# Allegro board RK3588S_Template_LP5D315P232SD10H2_42x42_2750MHz_1R2_V10_20220413YWQ.brd (continued)
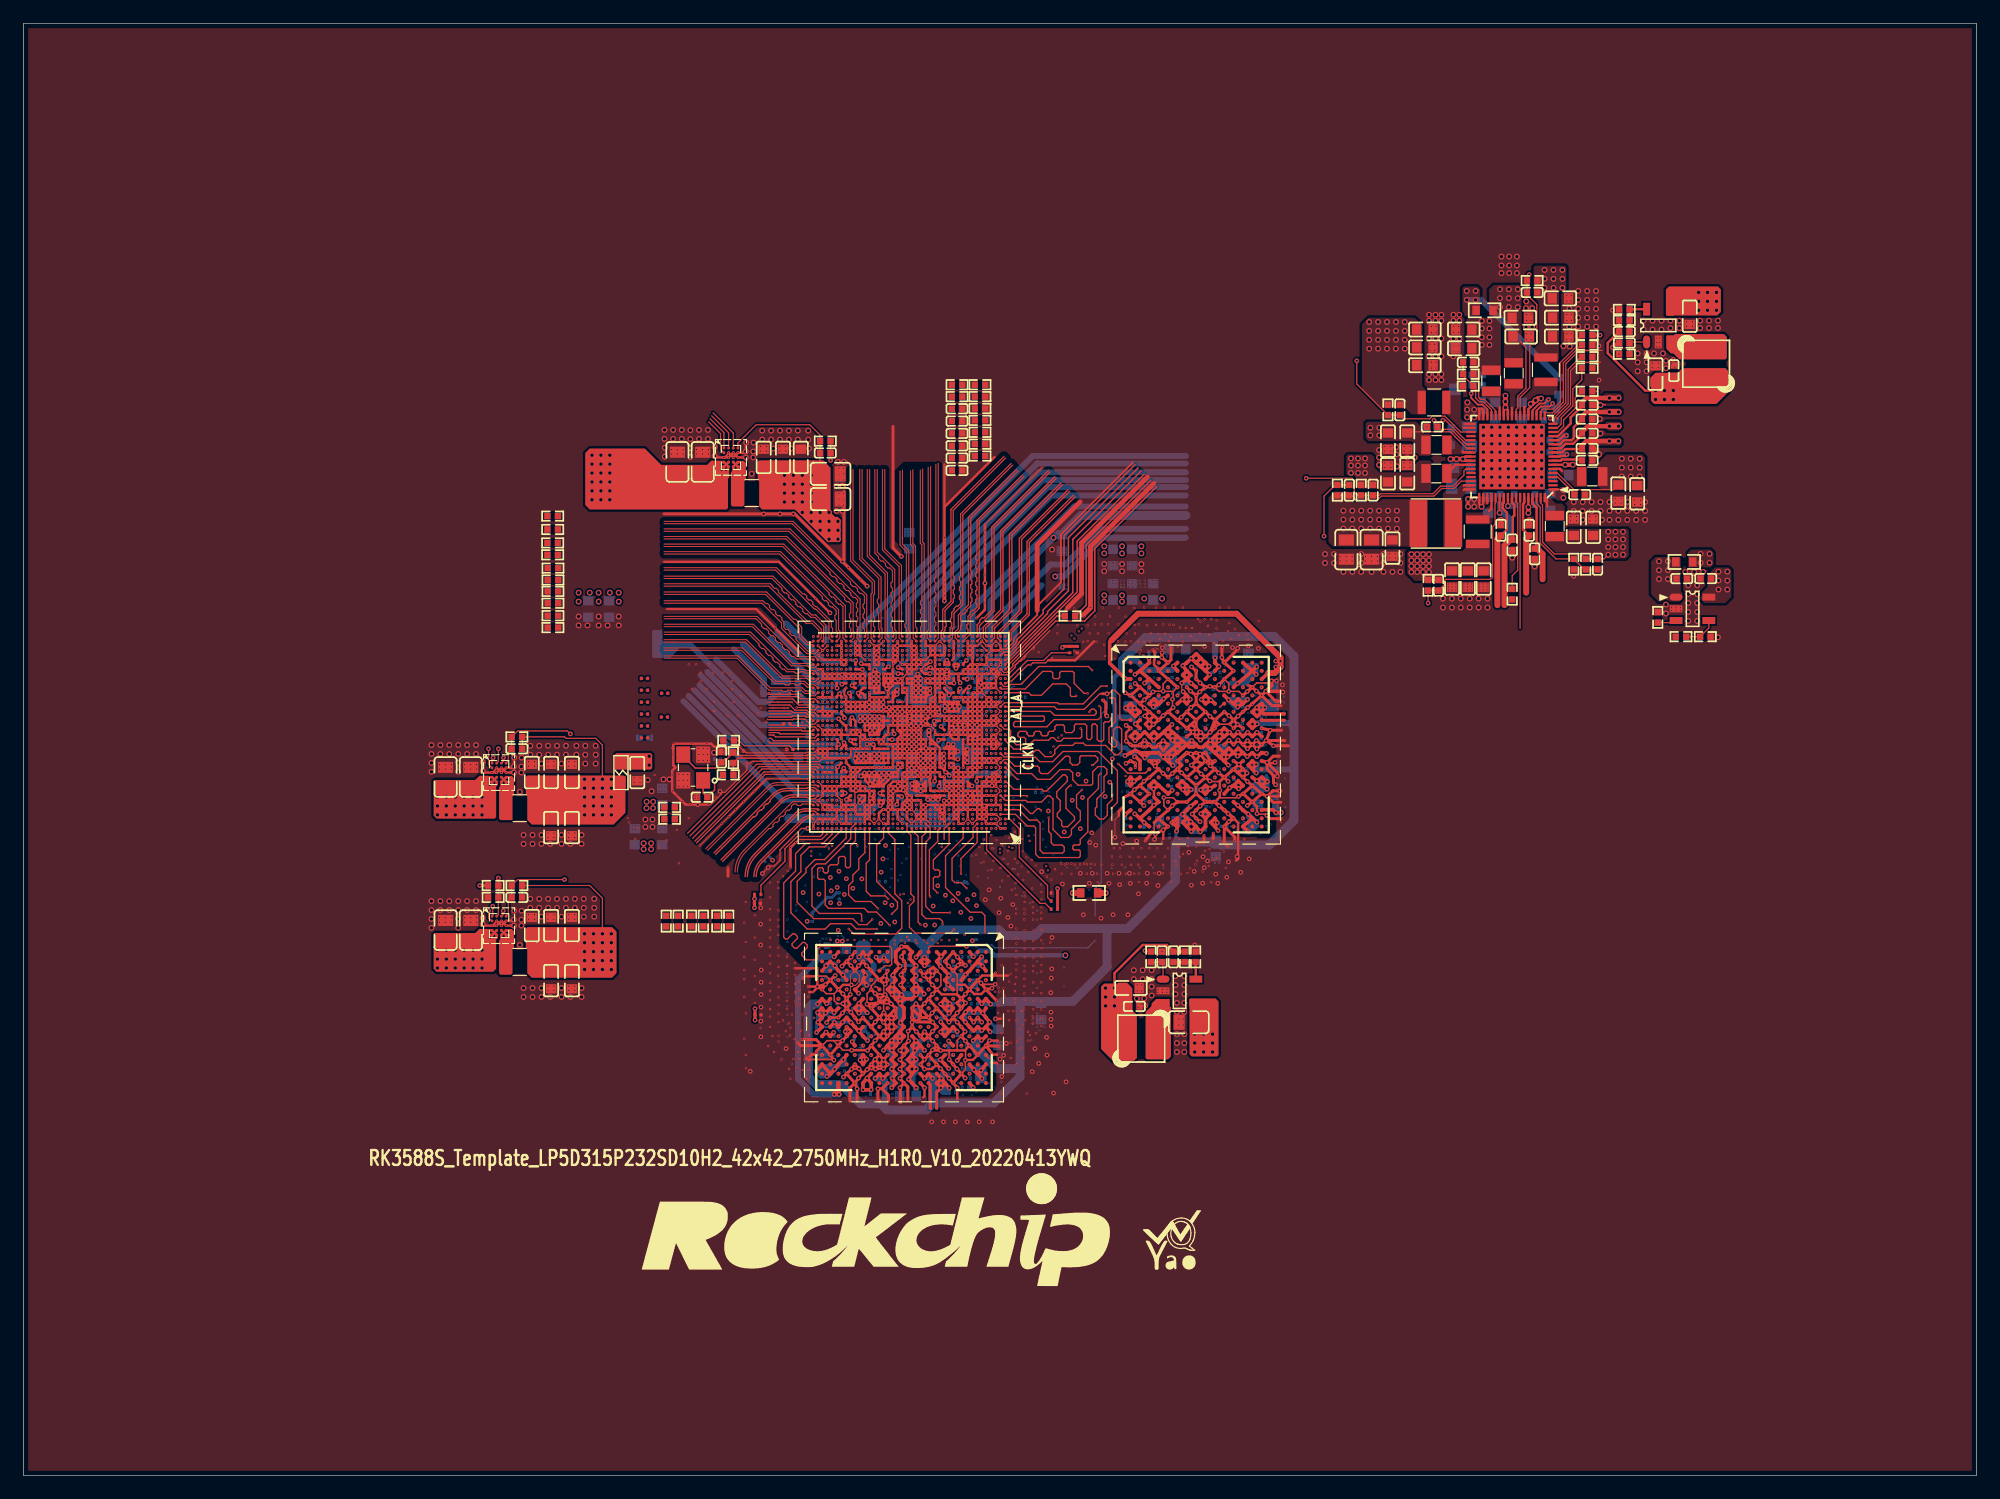
[diagram p0: board, top side]
## Routing (per net, layer and track width the routed paths; a pad name or vN(x,y) marks a point on that pad's centre or on a via; arc(x,y) is an arc through that point) (continued)
DDR_CH0_DQ11_A: length 31.5
  L3-S1 w0.076: v4(88.92,68.48) 88.49,68.05 87.46,68.05 86.96,67.55 86.96,66.83 85.99,65.85 83.84,65.85 83.79,65.9 83.44,65.9 83.44,65.91 83.3,65.91 83.22,65.99 82.4,65.99 v3(81.89,66.5) ; v4(103.9,67.13) 103.91,67.12 104.16,67.37 v3(104.2,67.37)
  L8-S3 w0.076: v4(103.9,67.13) 104.45,67.68 104.45,68.71 104.38,68.79 103.02,68.79 102.9,68.67 102.9,68.1 102.76,67.96 101.06,67.96 100.34,68.67 100.21,68.67 100.13,68.6 100.13,68.24 100.05,68.16 99.82,68.16 99.75,68.24 99.75,68.6 99.67,68.67 99.44,68.67 99.37,68.6 99.37,68.24 99.29,68.16 99.06,68.16 98.99,68.24 98.99,68.6 98.75,68.83 97.92,68.83 97.75,69.01 96.36,69.01 95.71,69.65 95.71,70.19 94.94,70.96 92.35,70.96 91.83,70.44 90.88,70.44 v4(88.92,68.48)
DDR_CH0_DQ11_B: length 25.4
  L3-S1 w0.076: v4(90.96,55.3) 90.88,55.3 90.57,55.61 89.23,55.61 89.09,55.75 87.69,55.75 85.39,58.05 84.04,58.05 83.98,58.11 83.91,58.11 83.9,58.11 83.34,58.11 83.09,58.11 82.69,58.5 v3(82.69,58.51) ; v3(96.17,57.57) 96.07,57.57 95.97,57.66 95.37,57.66 94.52,56.82 94.52,55.26 v4(94.44,55.18)
  L6-S2 w0.107: v4(90.96,55.3) 90.56,54.91 89.43,54.91 89.26,54.74 89.26,53.87 90.61,52.52 94.39,52.52 94.89,53.02 94.89,53.97 94.6,54.26 94.24,54.26 94.05,54.45 94.05,54.8 94.17,54.91 94.17,54.91 v4(94.44,55.18)
DDR_CH0_DQ12_A: length 30
  L3-S1 w0.076: v4(101.42,70.62) 101.42,70.38 101.34,70.3 100.84,70.3 100.75,70.22 100.75,69.74 100.87,69.62 101.45,69.62 101.76,69.31 101.76,68.98 101.99,68.75 102.48,68.75 v3(102.5,68.77) ; v3(83.09,66.49) 83.11,66.49 83.52,66.08 85.15,66.08 85.99,66.92 v4(86.34,66.92)
  L8-S3 w0.076: v4(86.34,66.92) 85.93,67.33 85.93,70.46 87.53,72.05 98.86,72.05 98.94,71.98 98.94,71.84 99.02,71.77 99.24,71.77 99.32,71.84 99.32,71.98 99.4,72.05 99.62,72.05 99.7,71.98 99.7,71.84 99.78,71.77 100.01,71.77 100.08,71.84 100.08,71.98 100.16,72.05 100.39,72.05 100.46,71.98 100.46,71.84 100.54,71.77 100.77,71.77 100.84,71.84 100.84,71.98 100.92,72.05 101.34,72.05 101.42,71.98 v4(101.42,70.62)
DDR_CH0_DQ12_B: length 24.4
  L3-S1 w0.076: v3(82.29,60.1) 82.29,59.96 82.61,59.64 84.35,59.64 84.55,59.44 87.74,59.44 89.17,58.02 v4(89.23,58.02) ; v4(97.94,54.99) 97.93,55.01 97.93,55.27 97.76,55.43 97.76,56.09 v3(97.77,56.1)
  L8-S3 w0.076: v4(89.23,58.02) 89.3,57.95 89.3,57.85 88.93,57.48 88.93,55.72 89.26,55.39 89.26,53.68 89.74,53.2 97.65,53.2 98.22,53.77 98.22,54.55 97.96,54.81 97.96,54.97 v4(97.94,54.99)
DDR_CH0_DQ13_A: length 29.1
  L3-S1 w0.076: v3(101.76,68.07) 101.63,67.94 101.22,67.94 101.02,68.14 100.79,68.14 100.71,68.22 100.71,68.5 100.64,68.58 100.48,68.58 100.41,68.5 100.41,68.22 100.33,68.14 99.95,68.14 99.79,68.31 99.79,68.54 100.32,69.07 v4(100.54,69.07) ; v3(83.09,66.88) 83.09,66.88 83.1,66.88 83.15,66.83 84.83,66.83 86.9,68.9 88.02,68.9 88.75,69.64 89.34,69.64 89.41,69.72 v4(89.41,70.27)
  L6-S2 w0.107: v4(89.41,70.27) 89.58,70.1 93.13,70.1 93.21,70.18 93.21,70.47 93.13,70.54 91.76,70.54 91.68,70.62 91.68,70.9 91.85,71.07 100.16,71.07 100.69,70.54 100.69,69.23 v4(100.54,69.07)
DDR_CH0_DQ13_B: length 23.7
  L3-S1 w0.076: v4(90.25,57.43) 90.15,57.53 90.15,57.82 89.51,58.46 89.08,58.46 88.99,58.55 88.99,58.86 88.89,58.96 88.56,58.96 87.86,59.65 84.76,59.65 84.55,59.86 83.73,59.86 v3(83.49,60.1) ; v4(98.92,57.13) 98.83,57.13 v3(98.57,56.87)
  L8-S3 w0.076: v4(98.92,57.13) 98.84,57.13 98.49,56.78 98.49,55.72 98.37,55.6 98.18,55.6 98.1,55.68 98.1,56.71 98.03,56.79 97.8,56.79 97.72,56.71 97.72,55.68 97.65,55.6 97.44,55.6 97.37,55.68 97.37,55.84 97.29,55.92 97.14,55.92 97.06,55.84 97.06,55.68 96.98,55.6 96.59,55.6 96.03,56.17 95.46,56.17 95.21,55.91 95.21,55.56 95.13,55.49 94.68,55.49 94.43,55.74 92.75,55.74 92.46,56.02 90.64,56.02 89.85,56.82 89.85,57.03 v4(90.25,57.43)
DDR_CH0_DQ14_A: length 31.3
  L3-S1 w0.076: v3(82.69,65.3) 82.81,65.42 82.82,65.42 82.92,65.53 83.42,65.53 83.55,65.4 86.33,65.4 87.47,66.53 87.47,67.18 87.82,67.53 89.68,67.53 89.87,67.72 89.87,68.29 90.14,68.55 v4(90.26,68.55) ; v4(102,66.91) 101.74,66.66 v3(101.74,66.63)
  L8-S3 w0.076: v4(102,66.91) 102.5,66.91 102.57,66.99 102.57,67.3 102.69,67.42 103.24,67.42 103.35,67.31 103.35,66.06 103.24,65.95 102.4,65.95 102.23,65.79 102.1,65.79 101.95,65.94 101.8,65.94 101.65,65.79 101.65,65.58 101.52,65.45 101.21,65.45 101.11,65.55 101.11,65.83 101,65.94 100.34,65.94 100.17,66.11 100.17,66.48 100.01,66.65 98.32,66.65 98.27,66.7 97.21,66.7 96.96,66.95 96.96,67.14 97.09,67.27 97.09,67.76 96.93,67.92 96.39,67.92 96.22,67.75 96.22,67.35 95.79,66.92 95.55,66.92 95.35,66.72 95.35,66.1 95.28,66.02 94.44,66.02 92.97,67.48 91.76,67.48 91.16,68.08 90.86,68.08 90.39,68.55 v4(90.26,68.55)
DDR_CH0_DQ14_B: length 24.7
  L3-S1 w0.076: v3(98.55,58.22) 98.55,58.21 98.36,58.02 98.13,58.02 97.09,59.06 96.4,59.06 96.16,58.83 96.16,58.33 95.76,57.94 94.2,57.94 93.96,57.69 93.05,57.69 92.7,57.35 92.7,56.52 93.11,56.1 93.11,55.47 v4(93.22,55.36) ; v3(82.29,58.5) 82.94,57.85 83.33,57.85 83.41,57.93 83.83,57.93 83.95,57.81 85.29,57.81 87.68,55.43 89.01,55.43 89.41,55.02 89.61,55.02 89.69,55.1 89.69,55.21 v4(89.63,55.26)
  L8-S3 w0.076: v4(93.22,55.36) 92.94,55.07 92.59,55.07 91.96,55.7 90.41,55.7 89.68,56.42 89.34,56.42 89.2,56.28 89.2,56.02 89.69,55.53 89.69,55.32 v4(89.63,55.26)
DDR_CH0_DQ15_A: length 32
  TOP w0.119: v3(102.25,65.68) 102.53,65.96 U3900.F11
  L3-S1 w0.076: v3(102.25,65.68) 102.04,65.9 101.54,65.9 101.49,65.85 101.49,65.66 101.38,65.55 101.11,65.55 101.04,65.63 101.04,65.82 100.96,65.9 100.53,65.9 100.47,65.96 99.41,65.96 99.33,65.89 99.33,65.38 99.93,64.78 99.93,64.14 99.34,63.55 98.64,63.55 98.47,63.72 98.01,63.72 97.84,63.55 96.52,63.55 96.18,63.89 95.78,63.89 95.39,63.5 94.63,63.5 94.44,63.69 94.12,63.69 93.91,63.49 93.61,63.49 92.92,64.18 91.43,64.18 91.35,64.25 91.35,64.36 91.58,64.59 91.58,64.77 91.32,65.03 91.32,65.44 91.58,65.7 91.58,65.81 91.86,66.08 91.86,67.11 90.68,68.28 90.68,68.75 90.53,68.91 90.07,68.91 89.64,68.47 89.64,67.92 89.49,67.78 87.64,67.78 87.21,67.34 87.21,66.65 86.18,65.63 83.7,65.63 83.62,65.7 83.24,65.7 83.17,65.78 82.77,65.78 82.29,65.3 v3(82.29,65.3)
DDR_CH0_DQ15_B: length 25.3
  L3-S1 w0.076: v4(91.89,57.99) 91.65,57.75 91.65,57.15 91.58,57.07 89.76,57.07 89.52,57.31 89.37,57.31 87.46,59.22 84.35,59.22 84.16,59.41 82.52,59.41 82.39,59.54 82.39,59.54 82.35,59.58 82.35,59.58 82.11,59.81 82.11,59.82 81.89,60.04 v3(81.89,60.1) ; v4(93.5,59.4) 93.5,59.45 93.52,59.46 93.52,60.37 93.59,60.44 93.8,60.44 93.91,60.34 93.91,59.21 94.17,58.96 95.33,58.96 95.43,58.85 95.43,58.66 95.51,58.58 95.78,58.58 95.86,58.65 95.86,58.89 96.3,59.34 97.23,59.34 97.43,59.54 97.54,59.54 97.62,59.46 97.62,59.06 97.74,58.94 v3(97.74,58.91)
  L8-S3 w0.076: v4(91.89,57.99) 91.92,57.99 92.06,58.13 92.06,58.97 92.14,59.05 92.42,59.05 92.61,58.87 92.61,58.87 92.92,58.57 94.07,58.57 94.33,58.31 94.44,58.31 94.51,58.38 94.51,58.6 93.71,59.4 v4(93.5,59.4)
DDR_CH0_DQS0N_A: length 25.7
  L3-S1 w0.066: v3(96.91,68.1) 96.84,68.17 96.84,68.51 96.65,68.71 96.65,68.94 96.37,69.22 95.73,69.22 95.45,69.49 95.45,69.76 94.99,70.23 92.91,70.23 92.7,70.44 92.7,70.71 92.77,70.78 92.8,70.81 92.81,70.81 96.62,70.81 96.87,71.06 96.87,71.5 96.64,71.72 89.95,71.72 89.89,71.78 v3(89.53,71.78) 89.47,71.72 87.05,71.72 83.9,68.56 83.65,68.31 83.65,68.26 v3(83.49,68.1)
DDR_CH0_DQS0N_B: length 26.4
  L3-S1 w0.066: v3(83.89,55.7) 83.78,55.59 83.78,55.24 84.03,55 84.34,55 87.27,52.07 v3(87.38,52.07) 87.5,52.07 88.45,51.12 100.87,51.12 103.83,54.08 103.83,55.86 103.79,55.89 103.79,56.09 103.44,56.44 103.44,56.73 v3(103.35,56.82)
DDR_CH0_DQS0P_A: length 25.2
  L3-S1 w0.066: v3(83.89,68.1) 83.82,68.17 83.82,68.24 83.97,68.39 87.13,71.55 89.77,71.55 v3(89.79,71.53) 89.81,71.55 96.57,71.55 96.69,71.42 96.69,71.13 96.55,70.98 92.87,70.98 92.73,70.98 92.53,70.78 92.53,70.36 92.84,70.05 94.91,70.05 95.28,69.69 95.28,69.4 95.81,68.88 95.89,68.88 96.06,69.05 96.29,69.05 96.47,68.87 96.47,68.69 96.41,68.63 96.35,68.63 96.3,68.58 96.16,68.58 96.09,68.65 96.09,68.75 v3(96.16,68.81)
DDR_CH0_DQS0P_B: length 26.3
  L3-S1 w0.066: v3(104.14,56.15) 104.03,56.15 103.96,56.09 103.96,55.97 104,55.93 104,54.01 100.94,50.95 88.37,50.95 87.61,51.71 v3(87.53,51.71) 87.43,51.82 87.28,51.82 84.27,54.82 83.96,54.82 83.61,55.17 83.61,55.59 v3(83.5,55.7)
DDR_CH0_DQS1N_A: length 27.5
  L3-S1 w0.066: v3(83.09,70.1) 83.09,70.22 83.18,70.3 83.4,70.3 86.78,73.68 102.58,73.68 104.13,72.13 104.13,69.9 103.97,69.74 103.97,69.22 103.84,69.09 103.84,68.87 103.48,68.51 103.48,68.28 103.37,68.17 v3(103.37,68.14)
DDR_CH0_DQS1N_B: length 25
  L3-S1 w0.066: v3(83.5,58.88) 83.59,58.88 83.65,58.83 83.82,58.66 87.2,58.66 88.35,57.51 88.35,57.36 88.51,57.19 88.66,57.19 88.73,57.12 88.73,56.95 88.93,56.76 89.03,56.76 89.52,56.27 90.01,56.27 90.23,56.49 90.5,56.49 90.72,56.27 91.15,56.27 91.22,56.34 91.68,56.34 92.23,55.79 92.23,54.04 92.23,53.37 92.44,53.17 97.96,53.17 98.35,53.56 98.35,53.79 98.14,54 97.53,54 97.4,53.87 97.2,53.87 97.07,54 96.49,54 96.29,54.2 96.29,54.77 96.08,54.99 96.08,55.13 96.19,55.24 96.36,55.24 96.55,55.44 96.55,55.97 96.77,56.19 96.77,56.63 v3(96.96,56.81)
DDR_CH0_DQS1P_A: length 28
  L3-S1 w0.066: v3(82.69,70.1) 82.73,70.1 83.11,70.48 83.33,70.48 86.71,73.85 102.44,73.85 102.66,73.85 104.3,72.2 104.3,69.83 104.14,69.66 104.14,69.15 104.01,69.02 104.01,68.66 104.07,68.6 104.22,68.6 104.28,68.66 104.28,68.78 v3(104.26,68.8)
DDR_CH0_DQS1P_B: length 24.4
  L3-S1 w0.066: v3(83.9,58.91) 83.98,58.83 87.27,58.83 88.52,57.58 88.52,57.43 88.59,57.36 88.73,57.36 88.91,57.19 88.91,57.02 89,56.93 89.1,56.93 89.59,56.44 89.94,56.44 90.16,56.66 90.57,56.66 90.79,56.44 91.08,56.44 91.15,56.51 91.75,56.51 92.4,55.86 92.4,53.97 92.4,53.44 92.51,53.34 97.89,53.34 98.18,53.63 98.18,53.72 98.07,53.83 97.6,53.83 97.47,53.7 97.13,53.7 97,53.83 96.42,53.83 96.12,54.13 96.12,54.7 95.91,54.91 95.91,55.2 96.12,55.41 96.28,55.41 96.38,55.51 96.38,56.04 96.56,56.22 96.56,56.32 96.49,56.39 96.32,56.39 96.26,56.45 96.15,56.45 96.1,56.39 96.1,56.3 96.18,56.22 v3(96.2,56.22)
DDR_CH0_LP4/4X_CKE0/LP5_CS0_A: length 29.7
  TOP w0.107: v3(89.95,66.63) 89.89,66.57 89.54,66.57 89.45,66.66 89.45,67.29 89.1,67.64 87.95,67.64 86.98,66.67 86.11,66.67 85.89,66.89 83.9,66.89 U1000.AK1
  L3-S1 w0.064: v4(99.02,64.11) 99.02,64.23 v3(99.37,64.57) ; v4(90.07,66.27) 90.07,66.51 v3(89.95,66.63)
  L6-S2 w0.081: v4(90.07,66.27) 90.06,66.26 90.06,66.15 89.99,66.07 89.51,66.07 89.19,65.75 88.4,65.75 88.21,65.94 88.21,66.29 88.13,66.37 87.91,66.37 87.83,66.29 87.83,65.94 87.75,65.86 87.53,65.86 87.45,65.94 87.45,66.29 87.37,66.37 86.8,66.37 86.72,66.29 86.72,64.87 87.9,63.68 88.53,63.68 88.6,63.76 88.6,64.42 88.86,64.67 90.3,64.67 90.51,64.89 91.22,64.89 91.44,64.66 91.44,64.55 91.6,64.39 92.36,64.39 92.5,64.25 93.28,64.25 93.83,63.7 94,63.7 94.26,63.43 98.78,63.43 99.02,63.67 v4(99.02,64.11)
DDR_CH0_LP4/4X_CKE0/LP5_CS0_B: length 26.8
  TOP w0.107: v3(90.44,58.6) 89.98,58.14 89.98,57.09 90.3,56.76 90.3,55.98 89.54,55.22 89.54,54.78 89.29,54.52 88.65,54.52 87.97,55.21 87.97,57.8 87.68,58.08 87.52,58.08 86.98,57.55 85.78,57.55 85.64,57.69 83.9,57.69 83.77,57.82 U1000.H2
  L3-S1 w0.064: v3(90.44,58.6) v4(90.83,58.6) ; v3(101.02,60.32) 100.74,60.59 v4(100.74,60.59)
  L6-S2 w0.081: v4(90.83,58.6) 91.1,58.33 91.45,58.33 92.45,59.33 92.45,59.55 92.71,59.82 96.14,59.82 96.61,59.35 97.23,59.35 97.8,59.91 97.8,60.13 98.01,60.34 98.36,60.34 98.64,60.62 99.03,60.62 99.46,61.04 100.29,61.04 v4(100.74,60.59)
DDR_CH0_LP4/4X_CKE1/LP5_CS1_A: length 30.4
  TOP w0.107: U1000.AD1 84.05,64.5 84.44,64.89 87.15,64.89 87.23,64.81 87.23,64.54 87.13,64.44 84.75,64.44 84.6,64.29 84.6,64.08 84.69,63.98 87.45,63.98 88.07,64.6 91.83,64.6 92.05,64.81 92.05,65.63 v3(91.92,65.75)
  L3-S1 w0.064: v4(92.27,65.82) 92.2,65.75 v3(91.92,65.75) ; v3(98.54,65.26) 98.7,65.26 v4(98.99,65.55)
  L6-S2 w0.081: v4(92.27,65.82) 92.29,65.84 92.4,65.84 93.04,65.2 93.47,65.2 93.59,65.08 93.59,64.88 93.71,64.76 95.05,64.76 95.25,64.56 95.51,64.56 95.59,64.48 95.59,64.37 95.67,64.29 95.91,64.29 96.01,64.39 96.01,64.52 96.09,64.6 96.2,64.6 96.27,64.53 96.67,64.53 96.91,64.29 97.12,64.29 97.39,64.55 97.84,64.55 97.92,64.64 97.92,65.06 98,65.14 98.14,65.14 98.22,65.06 98.22,64.85 98.3,64.77 98.46,64.77 98.54,64.85 98.54,65.06 98.62,65.14 99.2,65.14 99.39,64.94 99.39,64.7 99.57,64.52 99.57,63.96 99.65,63.88 100.14,63.88 100.22,63.96 100.22,65.07 100.14,65.15 99.72,65.15 99.32,65.55 99.08,65.55 99.08,65.55 v4(98.99,65.55)
DDR_CH0_LP4/4X_CKE1/LP5_CS1_B: length 25.1
  TOP w0.107: U1000.F1 83.91,57.28 85.34,57.28 86.05,56.57 86.22,56.57 86.63,56.98 86.8,56.98 v3(86.95,56.84)
  L3-S1 w0.064: v4(101.54,60.01) 101.76,59.78 v3(101.76,59.64) ; v4(87.02,57.19) 86.95,57.13 v3(86.95,56.84)
  L6-S2 w0.081: v4(101.54,60.01) 100.55,59.02 100.29,59.02 100.09,58.81 100.09,58.43 99.87,58.22 98.74,58.22 98.13,57.61 97.74,57.61 97.54,57.4 97.28,57.4 97.07,57.61 93.03,57.61 92.9,57.48 92.9,56.95 92,56.05 91.72,56.05 91.65,56.12 91.65,56.36 91.58,56.43 91.43,56.43 91.36,56.36 91.36,56.12 91.29,56.05 91.15,56.05 91.08,56.12 91.08,56.36 91.01,56.43 90.87,56.43 90.79,56.36 90.79,56.12 90.72,56.05 90.58,56.05 90.51,56.12 90.51,56.36 90.44,56.43 90.3,56.43 90.23,56.36 90.23,56.12 90.15,56.05 90.01,56.05 89.94,56.12 89.94,56.36 89.87,56.43 89.73,56.43 89.66,56.36 89.66,56.12 89.59,56.05 89.44,56.05 89.37,56.12 89.37,56.36 89.3,56.43 89.16,56.43 89.09,56.36 89.09,56.12 89.02,56.05 87.51,56.05 87.02,56.54 87.02,57.12 v4(87.02,57.19)
DDR_CH0_WCK0N_A: length 24.1
  L3-S1 w0.066: v3(82.29,68.91) 82.29,68.89 82.38,68.8 83.31,68.8 86.89,72.38 v3(90.42,72.38) 98.24,72.38 98.68,71.94 98.68,71.47 97.79,70.58 97.79,70.14 97.87,70.07 97.87,69.6 97.39,69.12 97.39,68.58 97.56,68.41 97.56,67.71 97.36,67.51 97.36,67.4 97.42,67.34 97.53,67.34 97.66,67.47 97.75,67.47 97.79,67.43 97.79,67.34 v3(97.77,67.32)
DDR_CH0_WCK0N_B: length 26.7
  L3-S1 w0.066: v3(83.09,56.08) 83.13,56.13 84.17,56.13 85.6,54.7 85.6,54.61 v3(85.98,54.23) 86.07,54.23 88.52,51.78 88.66,51.78 98.89,51.78 101.32,54.21 101.32,56.98 102.37,58.02 102.68,58.02 102.74,57.96 102.74,57.7 102.88,57.57 102.88,57.48 102.82,57.42 102.63,57.42 102.57,57.48 v3(102.57,57.54)
DDR_CH0_WCK0P_A: length 24.4
  L3-S1 w0.066: v3(96.96,66.73) 96.96,67.35 97.3,67.7 97.39,67.78 97.39,68.34 97.22,68.51 97.22,68.8 97.22,68.8 97.22,69.2 97.69,69.67 97.69,70 97.62,70.07 97.62,70.65 98.51,71.54 98.51,71.87 98.17,72.21 90.58,72.21 90.52,72.14 v3(90.17,72.14) 90.1,72.21 86.96,72.21 83.38,68.63 82.14,68.63 81.88,68.89 v3(81.88,68.9)
DDR_CH0_WCK0P_B: length 26.8
  L3-S1 w0.066: v3(103.37,58.23) 103.33,58.2 102.29,58.2 101.15,57.05 101.15,54.28 98.82,51.96 88.59,51.96 v3(85.88,54.66) 84.24,56.3 83.01,56.3 82.81,56.1 v3(82.69,56.1)
DDR_CH0_WCK1N_A: length 28.1
  L3-S1 w0.066: v3(83.09,69.31) 83.05,69.35 83.05,69.44 83.11,69.51 83.42,69.51 86.88,72.97 87.08,72.97 87.16,72.89 87.43,72.89 87.51,72.97 87.71,72.97 87.8,72.88 88.05,72.88 88.14,72.97 99.92,72.97 100.77,72.11 100.77,71.65 101.05,71.37 101.46,71.37 102.01,71.92 102.37,71.92 102.74,71.55 102.74,70.56 102.63,70.46 102.63,70.26 102.74,70.15 102.74,69.12 102.91,68.94 102.91,68.58 102.74,68.41 102.74,68.11 102.74,67.8 102.96,67.59 102.96,67.42 102.68,67.14 102.52,67.14 102.46,67.2 102.46,67.29 v3(102.54,67.38)
DDR_CH0_WCK1N_B: length 23.8
  L3-S1 w0.066: v3(97.76,57.55) 97.52,57.55 97.48,57.51 97.48,57.26 99.22,55.52 99.22,53.68 97.98,52.44 91.87,52.44 91.44,52.88 88.26,52.88 84.48,56.66 82.91,56.66 v3(82.67,56.9)
DDR_CH0_WCK1P_A: length 28.4
  L3-S1 w0.066: v3(103.36,66.73) 103.36,67.07 103.13,67.31 103.13,67.66 102.92,67.87 102.92,68.33 103.09,68.5 103.09,69.01 102.91,69.19 102.91,71.63 102.44,72.09 101.94,72.09 101.39,71.54 101.13,71.54 100.94,71.73 100.94,72.18 99.99,73.14 86.81,73.14 83.35,69.68 83.04,69.68 82.87,69.51 82.87,69.44 82.74,69.3 v3(82.69,69.3)
DDR_CH0_WCK1P_B: length 23.5
  L3-S1 w0.066: v3(97,58.21) 97,57.81 97.3,57.51 97.3,57.19 99.05,55.45 99.05,53.75 97.91,52.62 91.95,52.62 91.51,53.05 88.33,53.05 84.55,56.83 83.14,56.83 v3(83.07,56.9)
DDR_CH1_A0_C: length 30.8
  TOP w0.107: v3(79.16,48.1) 77.63,48.1 77.09,48.64 77.09,54.13 77.47,54.51 77.47,55.32 U1000.B18
  L3-S1 w0.064: v4(79.52,48.13) 79.19,48.13 v3(79.16,48.1) ; v4(78.35,42.7) 78.35,42.66 78.03,42.35 v3(78.03,42.34)
  L6-S2 w0.081: v4(78.35,42.7) 78.37,42.72 78.37,43.04 77.99,43.42 77.99,44.54 78.35,44.9 78.35,45.49 79.45,46.58 79.45,47.5 79.1,47.84 79.1,48.68 79.07,48.72 79.07,49.27 79.14,49.35 79.14,49.78 78.88,50.05 78.6,50.05 78.52,50.13 78.52,50.63 78.59,50.71 79.95,50.71 80.18,50.94 80.18,52.02 80.26,52.1 81.3,52.1 81.38,52.03 81.38,51.81 81.3,51.73 80.78,51.73 80.7,51.65 80.7,51.43 80.78,51.35 81.27,51.35 81.35,51.27 81.35,51.04 81.27,50.97 81.03,50.97 80.96,50.9 80.96,50.75 81.03,50.68 81.26,50.68 81.35,50.59 81.35,50.42 81.27,50.35 80.59,50.35 80.26,50.02 80.26,48.88 v4(79.52,48.13)
DDR_CH1_A0_D: length 31
  TOP w0.107: v3(70.51,46.71) 70.51,46.7 70.94,46.28 74.55,46.28 75.04,46.77 75.04,49.14 74.45,49.72 74.45,54.35 73.89,54.91 U1000.A26
  L3-S1 w0.064: v4(72.67,36.14) 72.64,36.14 v3(72.4,35.9) ; v4(70.16,46.71) v3(70.51,46.71)
  L6-S2 w0.081: v4(70.16,46.71) 70.08,46.62 70.08,46.18 70.16,46.1 70.33,46.1 70.4,46.17 70.4,46.27 70.48,46.36 70.71,46.36 70.79,46.27 70.79,45.89 70.51,45.61 70.51,45.3 70.44,45.23 69.93,45.23 69.86,45.16 69.86,44.89 69.93,44.81 70.24,44.81 70.36,44.69 70.36,44.11 70.53,43.94 70.91,43.94 71.03,43.82 71.03,42.69 70.96,42.62 70.87,42.62 70.8,42.55 70.8,42.34 70.87,42.26 70.96,42.26 71.13,42.1 71.13,41.82 71,41.7 71,40.86 71.06,40.81 71.06,40.07 71.21,39.92 71.65,39.92 71.75,39.82 71.75,39.25 71.7,39.21 71.7,38.49 71.63,38.42 71.15,38.42 71,38.26 71,37.76 71.21,37.54 71.21,37.23 71.13,37.14 71.13,36.37 71.5,36 72.53,36 v4(72.67,36.14)
DDR_CH1_A1_C: length 30.5
  TOP w0.107: v3(76.66,47.08) 76.45,47.28 76.45,54.61 75.89,55.17 U1000.A21
  L3-S1 w0.064: v3(76.66,47.08) 76.38,46.8 v4(76.38,46.79) ; v3(77.33,41.54) 77.3,41.54 76.99,41.85 v4(76.96,41.85)
  L6-S2 w0.081: v4(76.38,46.79) 76.34,46.79 75.92,47.22 75.92,51.43 76.06,51.57 77.89,51.57 77.97,51.49 77.97,51.3 77.85,51.18 76.49,51.18 76.35,51.05 76.35,48.14 76.73,47.76 76.73,46.76 76.97,46.52 76.97,46.13 76.88,46.03 76.67,46.03 76.47,46.23 76.03,46.23 75.88,46.09 75.88,41.67 76.07,41.48 76.61,41.48 76.96,41.83 v4(76.96,41.85)
DDR_CH1_A1_D: length 30.3
  TOP w0.107: U1000.A27 73.49,54.47 72.9,53.88 72.9,50.77 74.68,48.99 74.68,48.48 v3(74.2,48)
  L3-S1 w0.064: v3(74.2,48) 74.26,48 v4(74.46,47.8) ; v4(73.53,37.09) 73.24,36.8 v3(73.24,36.77)
  L8-S3 w0.064: v4(74.46,47.8) 74.79,47.47 74.79,46.57 74.32,46.1 74.32,43.48 74.64,43.17 74.64,42.3 74.61,42.27 74.61,41.78 74.62,41.77 74.62,40.73 74.53,40.64 74.53,40.01 74.64,39.9 75.12,39.9 75.18,39.84 75.18,39.61 75.12,39.55 74.48,39.55 74.42,39.49 74.42,39.26 74.48,39.2 75.38,39.2 75.46,39.11 75.46,38.56 75.25,38.34 75.25,37.82 75.25,36.64 75.3,36.58 75.69,36.58 75.77,36.51 75.77,36.18 75.9,36.05 75.9,35.56 75.82,35.48 75.39,35.48 75.05,35.14 73.2,35.14 73.13,35.22 73.13,35.84 73.22,35.94 73.73,35.94 73.82,36.02 73.82,36.8 v4(73.53,37.09)
DDR_CH1_A2_C: length 31
  TOP w0.107: U1000.B22 75.49,55.06 75.82,54.74 75.82,49.7 76.08,49.44 76.08,49.06 75.7,48.68 75.7,46.86 76.2,46.36 79.19,46.36 v3(79.51,46.68)
  L3-S1 w0.064: v3(78.02,39.18) 78.06,39.18 v4(78.3,39.42) ; v3(79.51,46.68) 79.6,46.76 v4(79.85,46.76)
  L6-S2 w0.081: v4(79.85,46.76) 79.85,46.51 78.74,45.4 78.74,42.36 78.68,42.3 78.68,41.59 78.77,41.5 78.77,41.18 78.74,41.15 78.74,41.02 78.78,40.98 78.78,40.46 78.7,40.38 78.7,40.08 78.81,39.98 79.99,39.98 80.12,39.85 80.12,39.18 80.04,39.11 79.54,39.11 79.44,39.01 79.44,38.52 79.57,38.39 80.04,38.39 80.12,38.31 80.12,37.68 79.95,37.51 79.58,37.51 79.47,37.62 79.47,38.05 79.23,38.29 78.81,38.29 78.73,38.36 78.73,39.5 78.61,39.63 78.57,39.63 78.23,39.97 78.11,39.97 77.98,39.84 77.98,39.59 78.15,39.42 v4(78.3,39.42)
DDR_CH1_A2_D: length 30.8
  TOP w0.107: v3(73.89,49.28) 73.63,49.53 72.4,49.53 72.01,49.92 72.01,52.33 72.29,52.61 U1000.A30
  L3-S1 w0.064: v4(74.19,49.23) 73.94,49.23 v3(73.89,49.28) ; v4(72.77,39.24) 72.52,39.24 v3(72.42,39.15)
  L6-S2 w0.081: v4(74.19,49.23) 74.11,49.31 73.61,49.31 73.53,49.39 73.53,50.36 74.14,50.97 74.14,52.07 74.22,52.15 74.49,52.15 74.57,52.07 74.57,51.83 74.65,51.76 74.84,51.76 74.92,51.83 74.92,52.08 74.99,52.16 75.25,52.16 75.32,52.08 75.32,51.57 75.21,51.46 74.68,51.46 74.61,51.38 74.61,50.6 74.53,50.52 74.17,50.52 74.09,50.44 74.09,50.21 74.17,50.14 74.53,50.14 74.61,50.06 74.61,49.83 74.68,49.76 74.68,49.37 74.61,49.3 74.61,48.97 74.68,48.89 75.04,48.89 75.36,48.57 75.36,40.27 74.31,39.21 73,39.21 72.97,39.24 v4(72.77,39.24)
DDR_CH1_A3_C: length 30.7
  TOP w0.107: v3(80.11,51.42) 80.11,52.72 81.49,54.11 U1000.A7
  L3-S1 w0.064: v4(77,36.98) 77.09,36.98 v3(77.34,36.74) ; v4(79.77,51.59) 79.93,51.59 v3(80.11,51.42)
  L6-S2 w0.081: v4(77,36.98) 77,36.87 76.84,36.71 75.31,36.71 75.24,36.78 75.24,38.34 75.32,38.42 75.32,39.75 75.64,40.07 75.64,49.16 75.56,49.24 75.05,49.24 74.98,49.31 74.98,49.54 75.05,49.62 75.56,49.62 75.64,49.69 75.64,49.92 75.56,50 75.05,50 74.98,50.07 74.98,50.3 75.05,50.38 75.56,50.38 75.64,50.45 75.64,50.68 75.56,50.76 75.05,50.76 74.98,50.84 74.98,51.06 75.05,51.14 75.56,51.14 75.64,51.22 75.64,51.77 75.72,51.85 78.04,51.85 78.86,51.03 79.31,51.03 79.77,51.49 v4(79.77,51.59)
DDR_CH1_A3_D: length 28.9
  TOP w0.107: v3(72.93,46.7) 71.15,46.7 70.7,47.16 68.95,47.16 68.5,46.7 66.96,46.7 65.57,48.09 65.57,50.75 66.43,51.6 66.43,53 67.15,53.72 68.46,53.72 69.89,55.15 U1000.A36
  TOP w0.119: U3901.P5 72.9,41.77 v3(72.73,41.77)
  L3-S1 w0.064: v4(72.77,43.69) 72.19,43.11 71.66,43.11 71.57,43.02 71.57,42.58 71.82,42.32 72.08,42.32 72.63,41.77 v3(72.73,41.77) ; v3(72.93,46.7) 72.95,46.68 73.26,46.68 v4(73.28,46.69)
  L6-S2 w0.081: v4(72.77,43.69) 72.61,43.69 72.46,43.84 72.46,44.57 72.54,44.65 73.12,44.65 73.2,44.72 73.2,44.95 73.12,45.03 72.54,45.03 72.46,45.1 72.46,45.33 72.54,45.41 72.82,45.41 72.9,45.49 72.9,45.71 72.82,45.79 72.54,45.79 72.46,45.87 72.46,46.35 72.19,46.62 72.19,46.73 72.27,46.82 72.69,46.82 72.81,46.69 v4(73.28,46.69)
DDR_CH1_A4_C: length 31.4
  TOP w0.107: U1000.A10 80.29,54.47 78.79,52.96 78.79,50.24 80.9,48.13 81.88,48.13 82.15,47.86 82.15,46.48 v3(82.15,46.4)
  L3-S1 w0.064: v4(82.27,46.12) 82.15,46.25 82.15,46.4 v3(82.15,46.4) ; v3(78.04,37.53) 78.04,38.26 78.12,38.35 82.97,38.35 v4(83,38.33)
  L6-S2 w0.081: v4(83,38.33) 83.39,38.72 83.39,39.25 83.21,39.43 82.63,39.43 82.56,39.5 82.56,39.74 82.63,39.81 83.28,39.81 83.36,39.89 83.36,40.04 83.2,40.2 83.2,40.3 83.34,40.45 83.34,40.55 83.27,40.62 82.14,40.62 82.07,40.69 82.07,40.92 82.14,41 83.28,41 83.36,41.07 83.36,42.12 82.77,42.71 81.89,42.71 81.81,42.78 81.81,43.03 81.91,43.13 82.4,43.13 82.51,43.24 82.51,44.16 82.12,44.56 82.12,45.65 82.26,45.79 82.26,46.11 v4(82.27,46.12)
DDR_CH1_A4_D: length 29.8
  TOP w0.107: v3(71.62,47.4) 71.62,47.91 71.5,48.03 68.01,48.03 67.37,48.66 67.37,51.88 67.76,52.26 68.53,52.26 70.69,54.42 70.69,55.3 U1000.B33
  L3-S1 w0.064: v3(71.62,47.4) 71.62,47.1 v4(71.54,47.02) ; v3(72.41,40.8) 72.41,40.62 72.54,40.49 72.62,40.49 v4(72.67,40.54)
  L6-S2 w0.081: v4(72.67,40.54) 72.55,40.42 72.43,40.42 72.26,40.59 72.26,40.82 72.41,40.97 72.41,41.42 72.56,41.57 72.89,41.57 72.97,41.64 72.97,41.75 72.88,41.83 72.49,41.83 72.4,41.92 72.4,42.1 72.23,42.27 71.93,42.27 71.7,42.04 71.47,42.04 71.39,42.12 71.39,42.34 71.31,42.43 71.31,43.06 71.38,43.13 71.63,43.13 71.71,43.21 71.71,43.7 71.61,43.8 71.61,44 71.72,44.11 71.72,44.86 71.49,45.09 71.1,45.09 71.02,45.17 71.02,45.29 71.1,45.37 71.97,45.37 72.14,45.55 72.14,46.22 72.07,46.3 71.92,46.3 71.84,46.22 71.84,45.74 71.76,45.66 71.18,45.66 71.11,45.74 71.11,45.88 71.18,45.96 71.55,45.96 71.62,46.03 71.62,46.19 71.55,46.27 71.16,46.27 71.08,46.34 71.08,46.47 71.16,46.54 71.68,46.54 71.75,46.62 71.75,46.8 v4(71.54,47.02)
DDR_CH1_A5_C: length 31.4
  TOP w0.107: v3(77.48,49.47) 77.41,49.54 77.41,53.47 78.12,54.19 78.12,55.13 U1000.A15
  L3-S1 w0.064: v3(77.48,49.47) 77.48,49.12 77.43,49.08 v4(77.43,49.05) ; v4(77.65,34.78) 77.61,34.78 77.32,35.07 77.32,35.09 v3(77.3,35.11)
  L8-S3 w0.064: v4(77.43,49.05) 77.41,49.07 77.36,49.07 77.24,49.19 77,49.19 76.87,49.06 76.87,48.68 76.79,48.61 76.56,48.61 76.49,48.68 76.49,49.06 76.41,49.14 76.18,49.14 76.11,49.06 76.11,48.68 76.03,48.61 75.8,48.61 75.73,48.68 75.73,49.06 75.61,49.17 75.37,49.17 75.29,49.25 75.29,49.86 75.07,50.08 74.7,50.08 74.51,49.89 74.51,49.69 74.92,49.29 74.92,47.92 74.99,47.84 75.35,47.84 75.43,47.76 75.43,46.99 75.35,46.91 75.13,46.91 75.05,46.84 75.05,46.61 75.13,46.53 75.35,46.53 75.43,46.46 75.43,46.23 75.35,46.15 74.88,46.15 74.81,46.07 74.81,45.85 74.88,45.77 75.35,45.77 75.43,45.69 75.43,40.33 76.63,39.13 76.63,37.8 76.62,37.79 76.62,35.22 76.73,35.11 77.16,35.11 77.49,34.78 v4(77.65,34.78)
DDR_CH1_A5_D: length 28.6
  TOP w0.107: U3901.P3 73.56,43.56 74.05,43.56 74.18,43.69 74.18,45.07 74.04,45.21 68.07,45.21 67.87,45.01 67.87,44.18 67.76,44.07 66.89,44.07 66.5,44.46 66.5,44.63 66.97,45.11 66.97,45.33 66.75,45.56 66.58,45.56 66.07,45.05 65.91,45.05 65.68,45.28 65.68,45.45 66.13,45.9 66.13,46.07 65.91,46.29 65.72,46.29 65.28,45.85 65.11,45.85 64.96,46 64.96,50.64 65.97,51.66 65.97,53.15 66.87,54.04 68.33,54.04 69.09,54.8 U1000.A38